# Altium PCB PCB.PcbDoc (part 6 of 10)
Units mil, origin at the board's own origin, x right, y up, seen from the top; angles counter-clockwise.
Board outline 3945.89 x 2165.35 mil, 8 copper layers (Component Side, PWR, Signal 1, Signal 2, GND1, Signal 3, GND2, Solder Side), stack 68.504 mil thick; 329 components, 323 nets, 1378 pads, 692 vias.
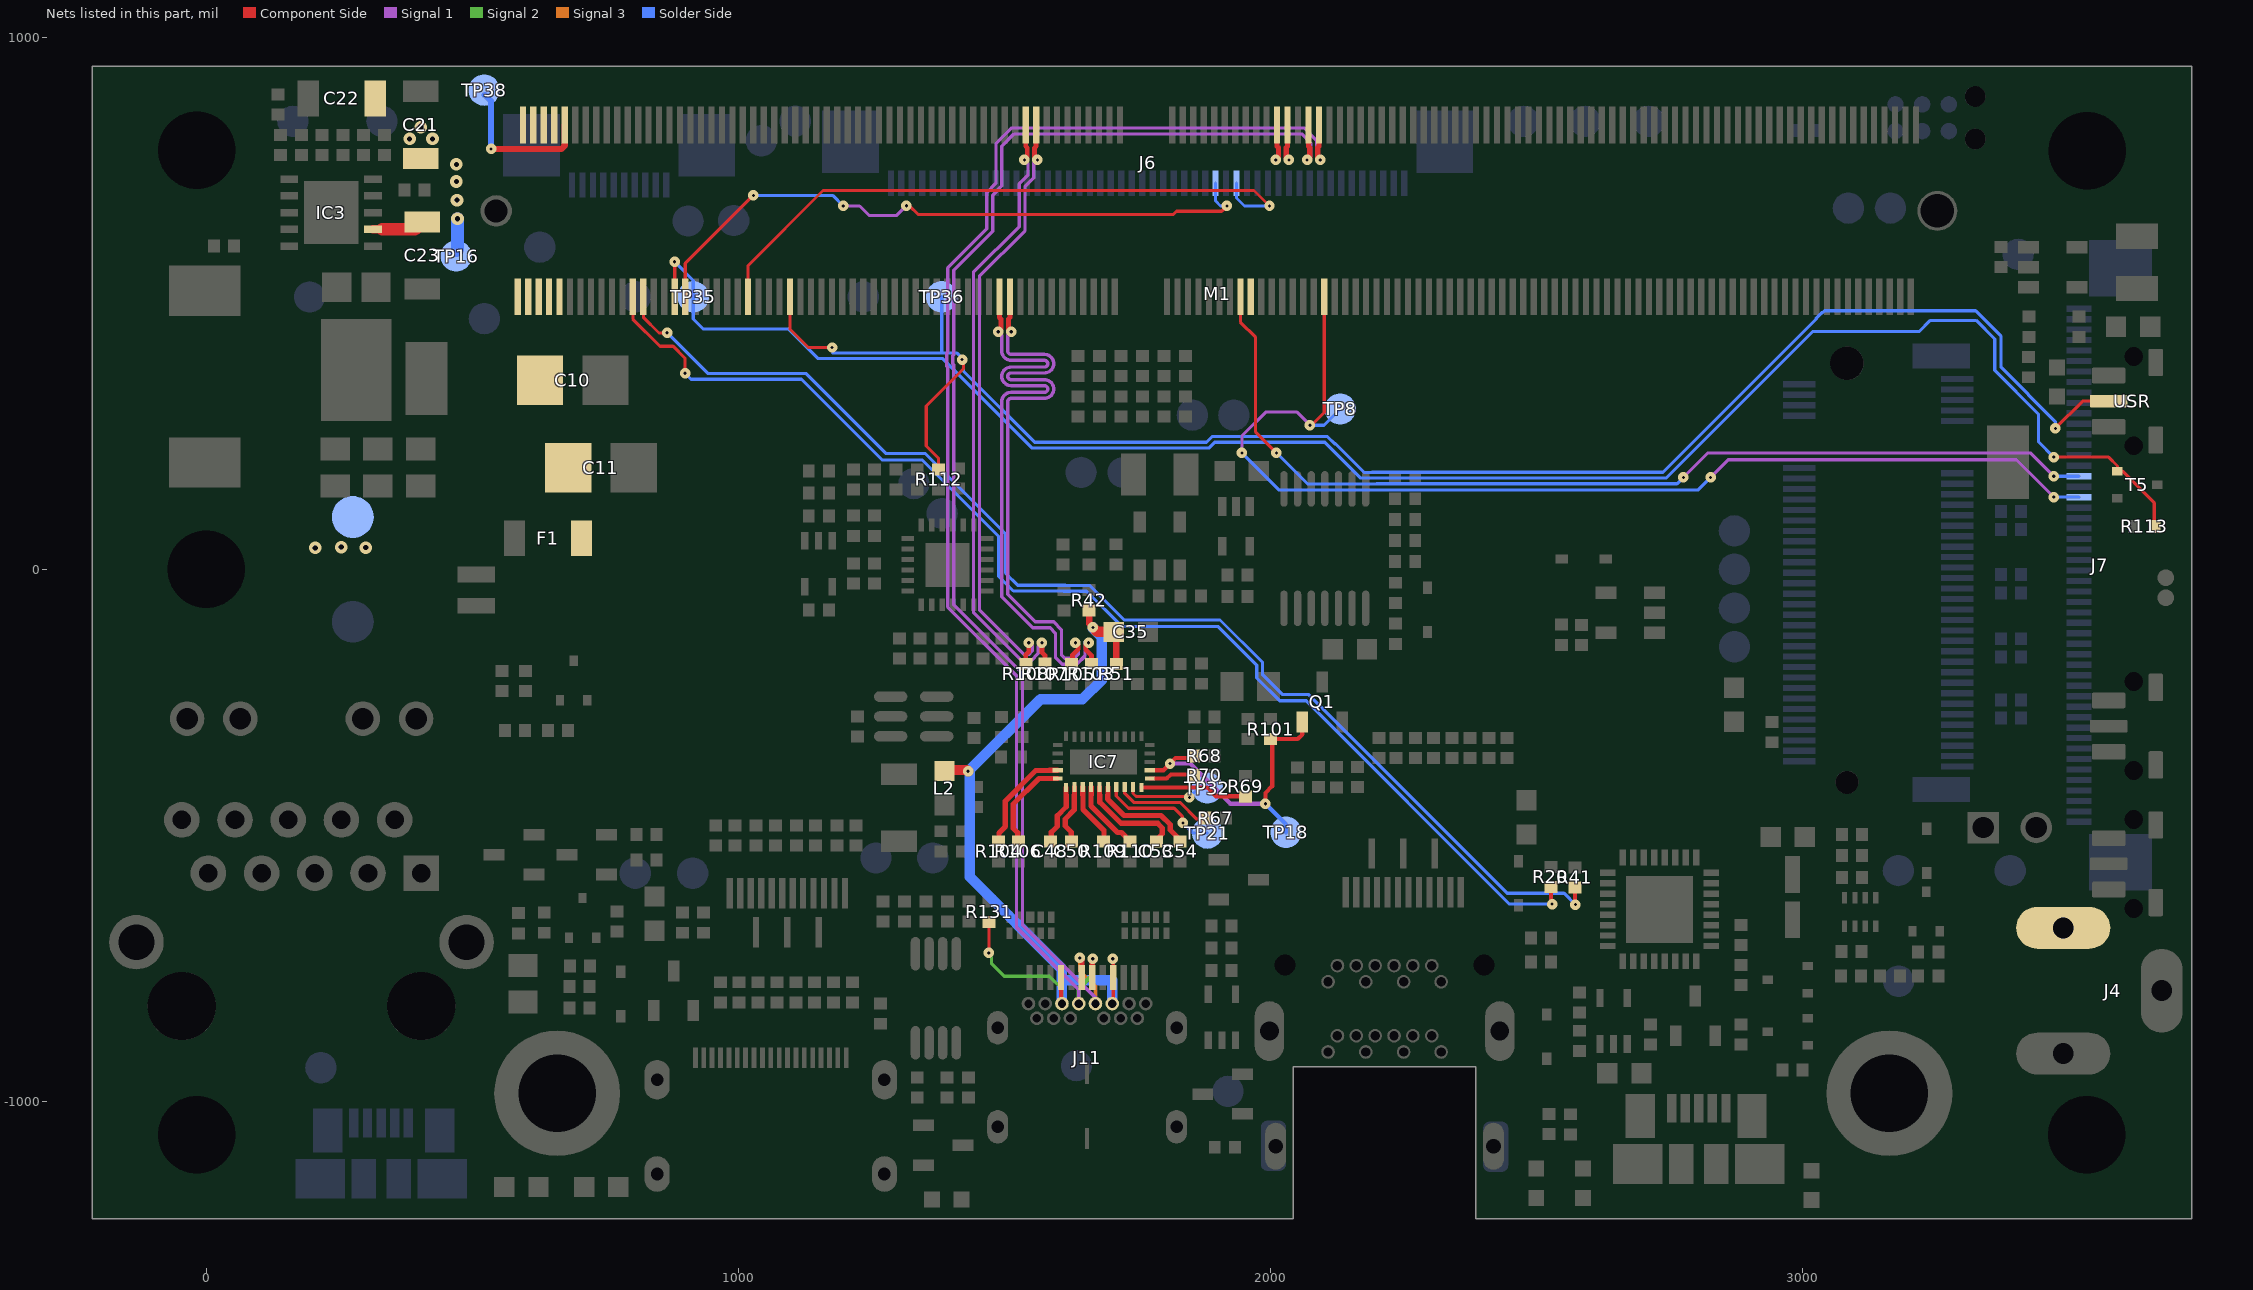
[diagram p12: the nets of this part, all layers, seen from the top]

## Via types
v1: diameter 19.68, hole 5.91, Component Side to Solder Side, 599 vias
v2: diameter 23.62, hole 9.84, Component Side to Solder Side, 90 vias
v3: diameter 19.68, hole 7.87, Component Side to Solder Side, 3 vias

## Nets (pads, with @x,y where several pads share a name; then routed paths per layer and width w, separated by ;. In a path a pad name is that pad's centre, name@x,y a point inside that pad or via, vN(x,y) a via of type N, cw(c..) or ccw(c..) an arc to the next point about the centre after c; other vN are vias at no path point) (continued)
UART1_RX: M1.238 R20.2 | length 2332.4
  Component Side w5.91: M1.238@801.92,512.29 801.92,470.41 852.96,419.37 877.63,419.37 899.97,397.03 v1(899.97,368.57)
  Component Side w7.87: R20.2@2527.33,-596.9 2527.33,-627 v1(2529.33,-629)
  Solder Side w5.91: v1(899.97,368.57) 911.07,357.47 1118.86,357.47 1270.66,205.67 1345.82,205.67 1489.59,61.9 1489.59,-13.26 1516.98,-40.65 1610.43,-40.65 1610.91,-41.13 1654.46,-41.13 1720.33,-107 1901.33,-107 1974.33,-180 1974.33,-204 2017.33,-247 2067.38,-247 2449.38,-629 v1(2529.33,-629)
UART1_TX: M1.236 R41.2 | length 2336.9
  Component Side w5.91: M1.236@821.6,512.29 821.6,473.73 851.02,444.31 865.76,444.31 v1(866.19,444.74)
  Component Side w7.87: R41.2@2572.33,-597.9 2572.33,-629 v1(2573.33,-630)
  Solder Side w5.91: v1(866.19,444.74) 942.62,368.3 1127.03,368.3 1277.24,218.09 1350.88,218.09 1502.26,66.71 1502.26,-6.93 1525.16,-29.83 1614.91,-29.83 1615.39,-30.31 1660.64,-30.31 1725.33,-95 1905.33,-95 1985.33,-175 1985.33,-198 2022.33,-235 2071.33,-235 2445.02,-608.69 2552.02,-608.69 v1(2573.33,-630)
USB1_D_N: J11.A7 J11.B7 M1.115 | length 2619.8
  Component Side w9.84: J11.A7@1665.42,-766.81 1665.42,-732.68 v1(1666.29,-731.81) ; M1.115@2091.29,835.12 2091.29,795.25 2088.83,792.79 2088.83,774.58 v1(2093.75,769.66)
  Signal 1 w6.3: J11.B7@1639.83,-816.02 1639.83,-789.83 1522.85,-672.85 1522.85,-200.16 1393.46,-70.77 1393.46,380.21 1391.57,382.1 1391.57,406.24 1393.46,408.13 1393.46,566.52 1466.97,640.03 1466.97,708.12 1484.21,725.36 1484.21,800.29 1487.78,803.86 1513.51,829.59 2063.34,829.59 2087.06,805.87 2087.06,776.35 v1(2093.75,769.66)
  Signal 2 w7.87: J11.B7@1639.83,-816.02 1639.83,-788.05 1666,-761.88 v1@1666,-732.27
USB1_D_P: J11.A6 J11.B6 M1.117 | length 2601.4
  Component Side w9.84: v1(1641.61,-730.08) 1645.74,-734.21 J11.A6@1645.74,-766.81 ; v1(2069.14,769.66) 2074.06,774.58 2074.06,792.79 2071.6,795.25 M1.117@2071.6,835.12
  Signal 1 w6.3: J11.B6@1671.33,-816.02 1671.33,-805.45 1534.07,-668.2 1534.07,-195.51 1530.78,-192.22 1404.68,-66.12 1404.68,384.86 1402.79,386.75 1402.79,401.59 1404.68,403.49 1404.68,561.87 1478.19,635.38 1478.19,703.47 1495.43,720.71 1495.43,795.65 1518.15,818.37 2058.69,818.37 2075.84,801.22 2075.84,776.35 v1(2069.14,769.66)
  Signal 1 w7.87: v1(1641.61,-730.08) 1641.61,-731.52 1641.39,-731.74 v1@1642.77,-733.12
  Signal 3 w6.89: v1(1641.61,-730.08) 1641.61,-754.27 1671.33,-783.99 J11.B6@1671.33,-816.02
USB2_D_N: M1.121 | length 68.5
  Component Side w9.84: M1.121@2032.23,835.12 2032.23,795.25 2029.77,792.79 2029.77,774.58 v1(2034.69,769.66)
USB2_D_P: M1.123 | length 68.5
  Component Side w9.84: v1(2010.09,769.66) 2015.01,774.58 2015.01,792.79 2012.55,795.25 M1.123@2012.55,835.12
USBC_ADDR: IC7.22 TP21.1 | length 223.5
  Component Side w5.91: IC7.22@1710.38,-408.97 1710.38,-425.93 1733.38,-448.92 1819.06,-448.92 1834.34,-464.2 1834.34,-475.07 v1(1835.57,-476.3)
  Solder Side w5.91: v1(1835.57,-476.3) 1854.84,-495.57 TP21.1@1881.73,-495.57
USBC_FAULT: IC7.24 TP32.1 | length 162.3
  Component Side w5.91: IC7.24@1741.88,-408.97 1741.88,-421.17 1747.57,-426.87 1846,-426.87 v1(1847.79,-428.66)
  Solder Side w5.91: v1(1847.79,-428.66) 1865.57,-410.88 TP32.1@1881.48,-410.88
USBC_ID: IC7.27 Q1.1 R68.2 R101.1 TP18.1 | length 577.1
  Component Side w7.87: 1784.92,-377.48 1799.01,-377.48 v1(1811.35,-365.13) 1821.83,-354.65 R68.2@1856.84,-354.65 ; v1(1990.79,-440.47) 1990.79,-419.99 2003.39,-407.39 2003.39,-321.96 R101.1@2000.33,-318.9 2051.43,-318.9 2060.33,-310 2059.93,-309.6 Q1.1@2059.93,-286.4
  Signal 1 w7.87: v1(1811.35,-365.13) 1811.41,-365.07 1849.34,-365.07 1924.74,-440.47 v1(1990.79,-440.47)
  Solder Side w7.87: v1(1990.79,-440.47) 2029.33,-479.01 TP18.1@2029.33,-494
USBC_INTN: IC7.23 R67.1 | length 184.5
  Component Side w5.91: IC7.23@1726.13,-408.97 1726.13,-420.74 1743.28,-437.89 1830.22,-437.89 1861.73,-469.4 1877.68,-469.4 R67.1@1878.39,-468.69
USBC_SCL: IC7.26 R70.2 | length 87.4
  Component Side w7.87: IC7.26@1773.38,-393.23 1805.09,-393.23 1813.08,-385.24 1853.48,-385.24 R70.2@1856.26,-388.03
USBC_SDA: IC7.25 R69.2 | length 204.8
  Component Side w7.87: IC7.25@1757.63,-409.96 1881.48,-409.96 1897.94,-426.42 R69.2@1955.61,-426.42
USBC_VBUS: C35.2 J11.A4 J11.A9 J11.B4 J11.B9 L2.2 R42.2 R51.2 R131.2 | length 1656.5
  Component Side w5.91: v1(1470.75,-720.62) 1471.19,-720.18 R131.2@1471.19,-662.32
  Component Side w7.09: J11.A4@1606.37,-766.81 1606.37,-814.05 J11.B9@1608.33,-816.02 ; J11.B4@1702.82,-816.02 1704.79,-814.05 J11.A9@1704.79,-766.81 1704.79,-732.91 v1(1703.7,-731.81)
  Component Side w11.81: R42.2@1659.33,-76.9 1659.33,-102 v1(1666.33,-109) ; C35.2@1705.86,-117.64 1710.38,-122.16 R51.2@1710.38,-177.48 R51.2@1709.4,-176.49
  Component Side w19.68: L2.2@1387.33,-378.91 1389.24,-377 1429.57,-377 v1@1432.41,-379.84 ; v1(1666.33,-109) 1674.97,-117.64 C35.2@1705.86,-117.64
  Signal 2 w5.91: v1(1470.75,-720.62) 1475.63,-725.5 1475.63,-740.51 1499.86,-764.74 1584.61,-764.74 1608.33,-788.46 J11.B9@1608.33,-816.02
  Solder Side w19.68: J11.B9@1608.33,-816.02 1608.33,-772.49 ; v1(1666.33,-109) 1666.33,-111.02 1682.89,-127.58 1682.89,-208 1646.69,-244.21 1568.02,-244.21 1435.33,-376.9 1435.33,-578 1608.33,-751 1608.33,-772.49 ; J11.B4@1702.82,-816.02 1702.82,-772.49 1608.33,-772.49
  other v1: 1431.94,-379.29
USBSS_RX1_N: IC7.14 R104.1 | length 203.5
  Component Side w9.84: R104.1@1489.87,-511.42 1489.87,-495.36 1501.9,-483.33 1501.9,-435.03 1559,-377.93 1584.65,-377.93 1585.1,-377.48 IC7.14@1600.15,-377.48
USBSS_RX1_P: IC7.15 R106.1 | length 176.8
  Component Side w9.84: R106.1@1525.05,-510.93 1525.05,-494.96 1516.74,-486.66 1516.74,-441.18 1565.15,-392.77 1585.83,-392.77 1586.28,-393.23 IC7.15@1600.15,-393.23
USBSS_RX2_N: IC7.18 R109.1 | length 117.9
  Component Side w9.84: IC7.18@1647.39,-408.97 1647.39,-424.1 1647.84,-424.55 1647.84,-450.95 1687.32,-490.43 R109.1@1687.32,-510.35
USBSS_RX2_P: IC7.19 R110.1 | length 136.2
  Component Side w9.84: IC7.19@1663.14,-408.97 1663.14,-424.1 1662.69,-424.55 1662.69,-444.8 1712.45,-494.57 1719.91,-494.57 R110.1@1735.69,-510.35
USBSS_RX6_N: M1.161 R108.1 | length 1156.1
  Component Side w9.06: R108.1@1540.33,-177.48 1540.33,-160.75 1546,-155.08 v1@1546,-142.09 ; v1@1559.79,770.99 v1@1562.25,768.53 ; M1.161@1559.79,835.12 1559.79,795.25 1556.94,792.4 1556.94,774.98 v1(1562.25,769.66)
  Signal 1 w6.3: v1(1546,-137.78) 1552.69,-144.47 1552.69,-153.03 1545.65,-160.07 1537.3,-160.07 1453.25,-76.01 1453.25,472.42 1453.29,472.46 1453.25,472.51 1453.25,551.07 1538.97,636.79 1538.97,719.77 1555.56,736.36 1555.56,762.97 v1(1562.25,769.66)
USBSS_RX6_P: M1.163 R107.1 | length 1193.5
  Component Side w9.06: v1@1537.65,768.53 v1@1540.11,770.99 ; v1(1537.65,769.66) 1542.96,774.98 1542.96,792.4 1540.11,795.25 M1.163@1540.11,835.12 ; v1@1570.6,-142.09 1570.6,-156.08 1576.27,-161.75 R107.1@1576.27,-177.67
  Signal 1 w6.3: v1(1537.65,769.66) 1544.34,762.97 1544.34,741.01 1527.75,724.41 1527.75,643.82 1442.03,558.11 1442.03,-80.66 1532.65,-171.29 1550.3,-171.29 1563.91,-157.68 1563.91,-144.47 v1(1570.6,-137.78)
USBSS_TX1_N: C48.2 IC7.16 | length 112
  Component Side w9.84: C48.2@1588.26,-510.16 1588.26,-494.18 1599.64,-482.79 1599.64,-462.9 1616.35,-446.2 1616.35,-424.55 1615.9,-424.1 IC7.16@1615.9,-409.96
USBSS_TX1_P: C50.2 IC7.17 | length 112.4
  Component Side w9.84: C50.2@1625.87,-509.52 1625.87,-493.39 1614.48,-482 1614.48,-469.05 1631.19,-452.34 1631.19,-424.55 1631.64,-424.1 IC7.17@1631.64,-408.97
USBSS_TX2_N: C53.2 IC7.20 | length 196
  Component Side w9.84: IC7.20@1678.89,-408.97 1678.89,-424.1 1679.34,-424.55 1679.34,-437.41 1719.06,-477.12 1788.12,-477.12 1796.91,-485.92 1796.91,-497.5 C53.2@1784.06,-510.35
USBSS_TX2_P: C54.2 IC7.21 | length 199.3
  Component Side w9.84: IC7.21@1694.64,-408.97 1694.64,-424.1 1694.18,-424.55 1694.18,-431.26 1725.21,-462.28 1794.27,-462.28 1811.75,-479.77 1811.75,-489.68 C54.2@1832.43,-510.35
USBSS_TX6_N: M1.166 R105.1 | length 1155.1
  Component Side w9.06: M1.166@1510.58,512.29 1510.58,473.25 1507.73,470.4 1507.73,451.92 v1(1513.04,446.61) ; R105.1@1628.33,-177.48 1628.33,-160.75 1639,-150.08 1639,-141.65 1635.13,-137.78 v1(1633.68,-137.78)
  Signal 1 w6.3: v1(1513.04,446.61) 1506.35,439.91 1506.35,410.51 ccw(c1512.65,410.51) 1512.65,404.21 1575.29,404.21 cw(c1575.29,386.69) 1592.81,386.69 cw(c1575.29,386.69) 1575.29,369.17 1512.65,369.17 ccw(c1512.65,362.87) 1506.35,362.87 ccw(c1512.65,362.87) 1512.65,356.57 1575.29,356.57 cw(c1575.29,339.05) 1592.81,339.05 cw(c1575.29,339.05) 1575.29,321.53 1512.65,321.53 ccw(c1512.65,315.23) 1506.35,315.23 1506.35,-46.96 1558.06,-98.67 1592.96,-98.67 1607.33,-113.05 1607.33,-160.57 1613.72,-166.95 1631.53,-166.95 1639.51,-158.98 1639.51,-143.6 v1(1633.68,-137.78)
USBSS_TX6_P: M1.168 R103.1 | length 1191.3
  Component Side w9.06: v1(1488.43,446.61) 1493.75,451.92 1493.75,470.4 1490.9,473.25 M1.168@1490.9,512.29 ; v1(1658.29,-137.78) 1656.84,-137.78 1652.97,-141.65 1652.97,-151.08 1663.64,-161.75 R103.1@1663.64,-177.67
  Signal 1 w6.3: v1(1488.43,446.61) 1495.13,439.91 1495.13,410.51 ccw(c1512.65,410.51) 1512.65,392.99 1575.29,392.99 cw(c1575.29,386.69) 1581.59,386.69 cw(c1575.29,386.69) 1575.29,380.39 1512.65,380.39 ccw(c1512.65,362.87) 1495.13,362.87 ccw(c1512.65,362.87) 1512.65,345.35 1575.29,345.35 cw(c1575.29,339.05) 1581.59,339.05 cw(c1575.29,339.05) 1575.29,332.75 1512.65,332.75 ccw(c1512.65,315.23) 1495.13,315.23 1495.13,-51.61 1553.42,-109.89 1586.32,-109.89 1596.11,-119.69 1596.11,-165.22 1609.07,-178.18 1636.18,-178.18 1651.6,-162.76 v1@1651.6,-135.73
USR_BUTTON: M1.208 R112.2 TP36.1 USR.2 | length 3304.3
  Component Side w5.91: M1.208@1097.2,512.29 1097.19,451.14 1131.33,417 v1(1176.33,417) ; R112.2@1376.33,187.9 1376.33,209 1353.33,232 1353.33,307 1423.33,377 1423.33,394 1423.16,394.17 v1(1420.7,394.17) ; v1(3475.33,265) 3526.47,316.14 USR.2@3575.42,316.14
  Solder Side w5.91: 1177.33,407 1384.33,407 ; TP36.1@1382.33,512.29 1382.33,409 1384.33,407 ; v1(1420.7,394.17) 1423.16,394.17 v1@1423.33,394 ; v1(3475.33,265) 3475.33,277.56 3373.33,379.56 3373.33,438 3325.35,485.98 3041.31,485.98 3037.63,482.3 3036.22,482.3 3025.84,471.92 3025.84,470.51 2737.98,182.66 2191.04,182.66 2190.67,182.29 2175.99,182.29 2122.27,236 2120.64,236 2106.99,249.66 1890.67,249.66 1879.84,238.83 1556.93,238.83 1423.33,372.43 v1@1423.33,394 ; 1384.33,407 1410.33,407 v1@1423.33,394
USR_LED: M1.230 R113.1 T5.1 TP35.1 | length 3446.5
  Component Side w5.91: v1(880.32,578.04) 880.66,577.69 M1.230@880.66,512.29 ; v1(3472.33,211) 3575.33,211 3591.93,194.4 T5.1@3591.93,184.59 3601.74,184.59 3661.23,125.1 R113.1@3661.23,81
  Solder Side w5.91: v1(880.32,578.04) 915.33,543.02 TP35.1@915.33,512.29 915.33,470.54 933.76,452.11 1094.22,452.11 1150.16,396.17 1384.27,396.17 1552.44,228 1884.33,228 1895.16,238.83 2102.5,238.83 2169.87,171.46 2195.15,171.46 2195.52,171.83 2744.16,171.83 3019.33,447 3036.08,447 3036.22,446.87 3075.5,446.87 3075.64,447 3219.33,447 3240.33,468 3326.33,468 3361.25,433.08 3361.25,374.08 3443.61,291.72 3443.61,239.72 v1(3472.33,211)
VDD_MOD: C10.1 C11.1 F1.2 M1.251 M1.252 M1.253 M1.254 M1.255 M1.256 M1.257 M1.258 M1.259 M1.260 TP38.1 | length 286.1
  Component Side w11.81: v1@535.43,789.94 667.22,789.94 674,796.72 ; 673.97,796.75 M1.251@673.97,835.12
  Solder Side w11.81: TP38.1@523.71,891.7 535.43,879.98 v1(535.43,790.27)
VIN: C21.2 C22.2 C23.2 IC3.2 J4.1 pad.0@275.59,98.43 TP16.1 | length 158.8
  Component Side w15.75: IC3.2@313.48,639.08 331.25,639.08 331.33,639
  Component Side w23.62: 331.33,639 392.34,639 C23.2@406.33,652.99
  Solder Side w23.62: TP16.1@471.18,599.35 472.33,600.5 v2(472.33,659)
  other v2: 205.04,40.42 299.74,40.93 253.66,41.94 471.33,694 470.33,729 470.33,761 382.33,809 425.33,809 403.33,831
VSYNC_CAM1_1: J6.32 M1.228 | length 1223.4
  Component Side w5.91: M1.228@900.34,512.29 900.34,575.02 v1(1028.33,703) ; v1@1321.29,683.67 1337.96,667 1817.45,667 1823.45,673 1908.33,673 v1(1918.33,683)
  Signal 1 w5.91: v1(1197.33,683) 1228.11,683 1245.74,665.37 1297.7,665.37 v1(1315.87,683.54)
  Solder Side w5.91: v1(1028.33,703) 1177.33,703 v1(1197.33,683) ; J6.32@1897.05,725.63 1897.05,692.28 1906.33,683 v1(1918.33,683)
VSYNC_CAM1_2: J6.34 M1.216 | length 1205
  Component Side w5.91: M1.216@1018.45,512.29 1018.45,571.13 1159.33,712 1969.32,712 v1(1998.33,682.99)
  Solder Side w5.91: J6.34@1936.42,725.63 1936.42,698.1 1936.33,698 1951.34,682.99 v1(1998.33,682.99)
VSYNC_CAM2_1: J7.32 M1.114 TP8.1 | length 2168
  Component Side w5.91: v1(2074.33,271) 2075.33,271 2076.33,270 2101.13,294.8 M1.114@2101.13,512.29
  Signal 1 w5.91: v1(1946.33,219) 1946.33,250.58 1991.26,295.51 2050.35,295.51 2074.33,271.53 v1(2074.33,271) ; v1(2827.33,173) 2860.33,206 3402.31,206 v1(3472.31,136)
  Solder Side w5.91: v1(1946.33,219) 2016.33,149 2803.33,149 v1(2827.33,173) ; v1(2074.33,271) 2100.76,271 TP8.1@2131.2,301.44 ; v1(3472.31,136) 3519.19,136 J7.32@3519.48,135.71
VSYNC_CAM2_2: J7.34 M1.130 | length 1896.1
  Component Side w5.91: M1.130@1943.65,512.29 1943.65,464.68 1972.33,436 1972.33,258 v1(2011.33,219)
  Signal 1 w5.91: v1(2776.33,173) 2822.33,219 3428.33,219 v1(3472.33,175)
  Solder Side w5.91: v1(2011.33,219) 2011.38,219 2069.75,160.63 2199.64,160.63 2200.01,161 2764.33,161 v1(2776.33,173) ; v1(3472.33,175) 3519.4,175 J7.34@3519.48,175.08
W_DISABLE1_CTRL: M1.128
pads on no net: D12.1 IC1.0 IC1.12 IC1.13 IC1.14 IC1.15 IC1.16 IC1.17 IC2.14 IC4.4 IC5.3 IC5.5 IC5.6 IC5.7 IC5.8 IC5.9 IC5.10 IC5.11 IC5.12 IC5.13 IC5.18 IC5.21 IC5.22 IC5.23 IC5.25 IC5.27 IC5.28 IC5.29 IC5.31 IC5.32 IC5.33 IC10.4 IC10.8 IC15.4 IC18.14 J1.17 J2.M J3. J6.1 J6.2 J6.3 J6.4 J6.13 J6.14 J6.16 J6.17 J6.31 J6.33 J6.35 J6.36 J6.37 J6.38 J6.43 J6.44 J6.45 J6.46 J6.M J7.13 J7.14 J7.16 J7.17 J7.31 J7.33 J7.35 J7.36 J7.37 J7.38 J7.43 J7.44 J7.45 J7.46 J7.M J8.6 J8.8 J8.20 J8.22 J8.24 J8.26 J8.28 J8.30 J8.32 J8.34 J8.36 J8.46 J8.48 J8.56 J8.58 J8.67 J8.68 J8.69 J8.None J9.4 J10.11 J10.12 J11. J11.A8 M1.89 M1.91 M1.93 M1.95 M1.97 M1.99 M1.101 M1.103 M1.104 M1.105 M1.106 M1.108 M1.110 M1.112 M1.116 M1.122 M1.127 M1.143 M1.145 M1.189 M1.191 M1.193 M1.195 M1.197 M1.199 M1.203 M1.205 M1.207 M1.209 M1.210 M1.219 M1.220 M1.221 M1.222 M1.223 M1.224 M1.225 M1.226 M1.227 M1.229 M1.232 M1.234 M1.M REC.10 REC.11 RST.10 RST.11 TP30.M USR.10 USR.11
copper on no net: | length 97248.9